# Altium PCB ReconProbe.PcbDoc (part 1 of 4) (continued)
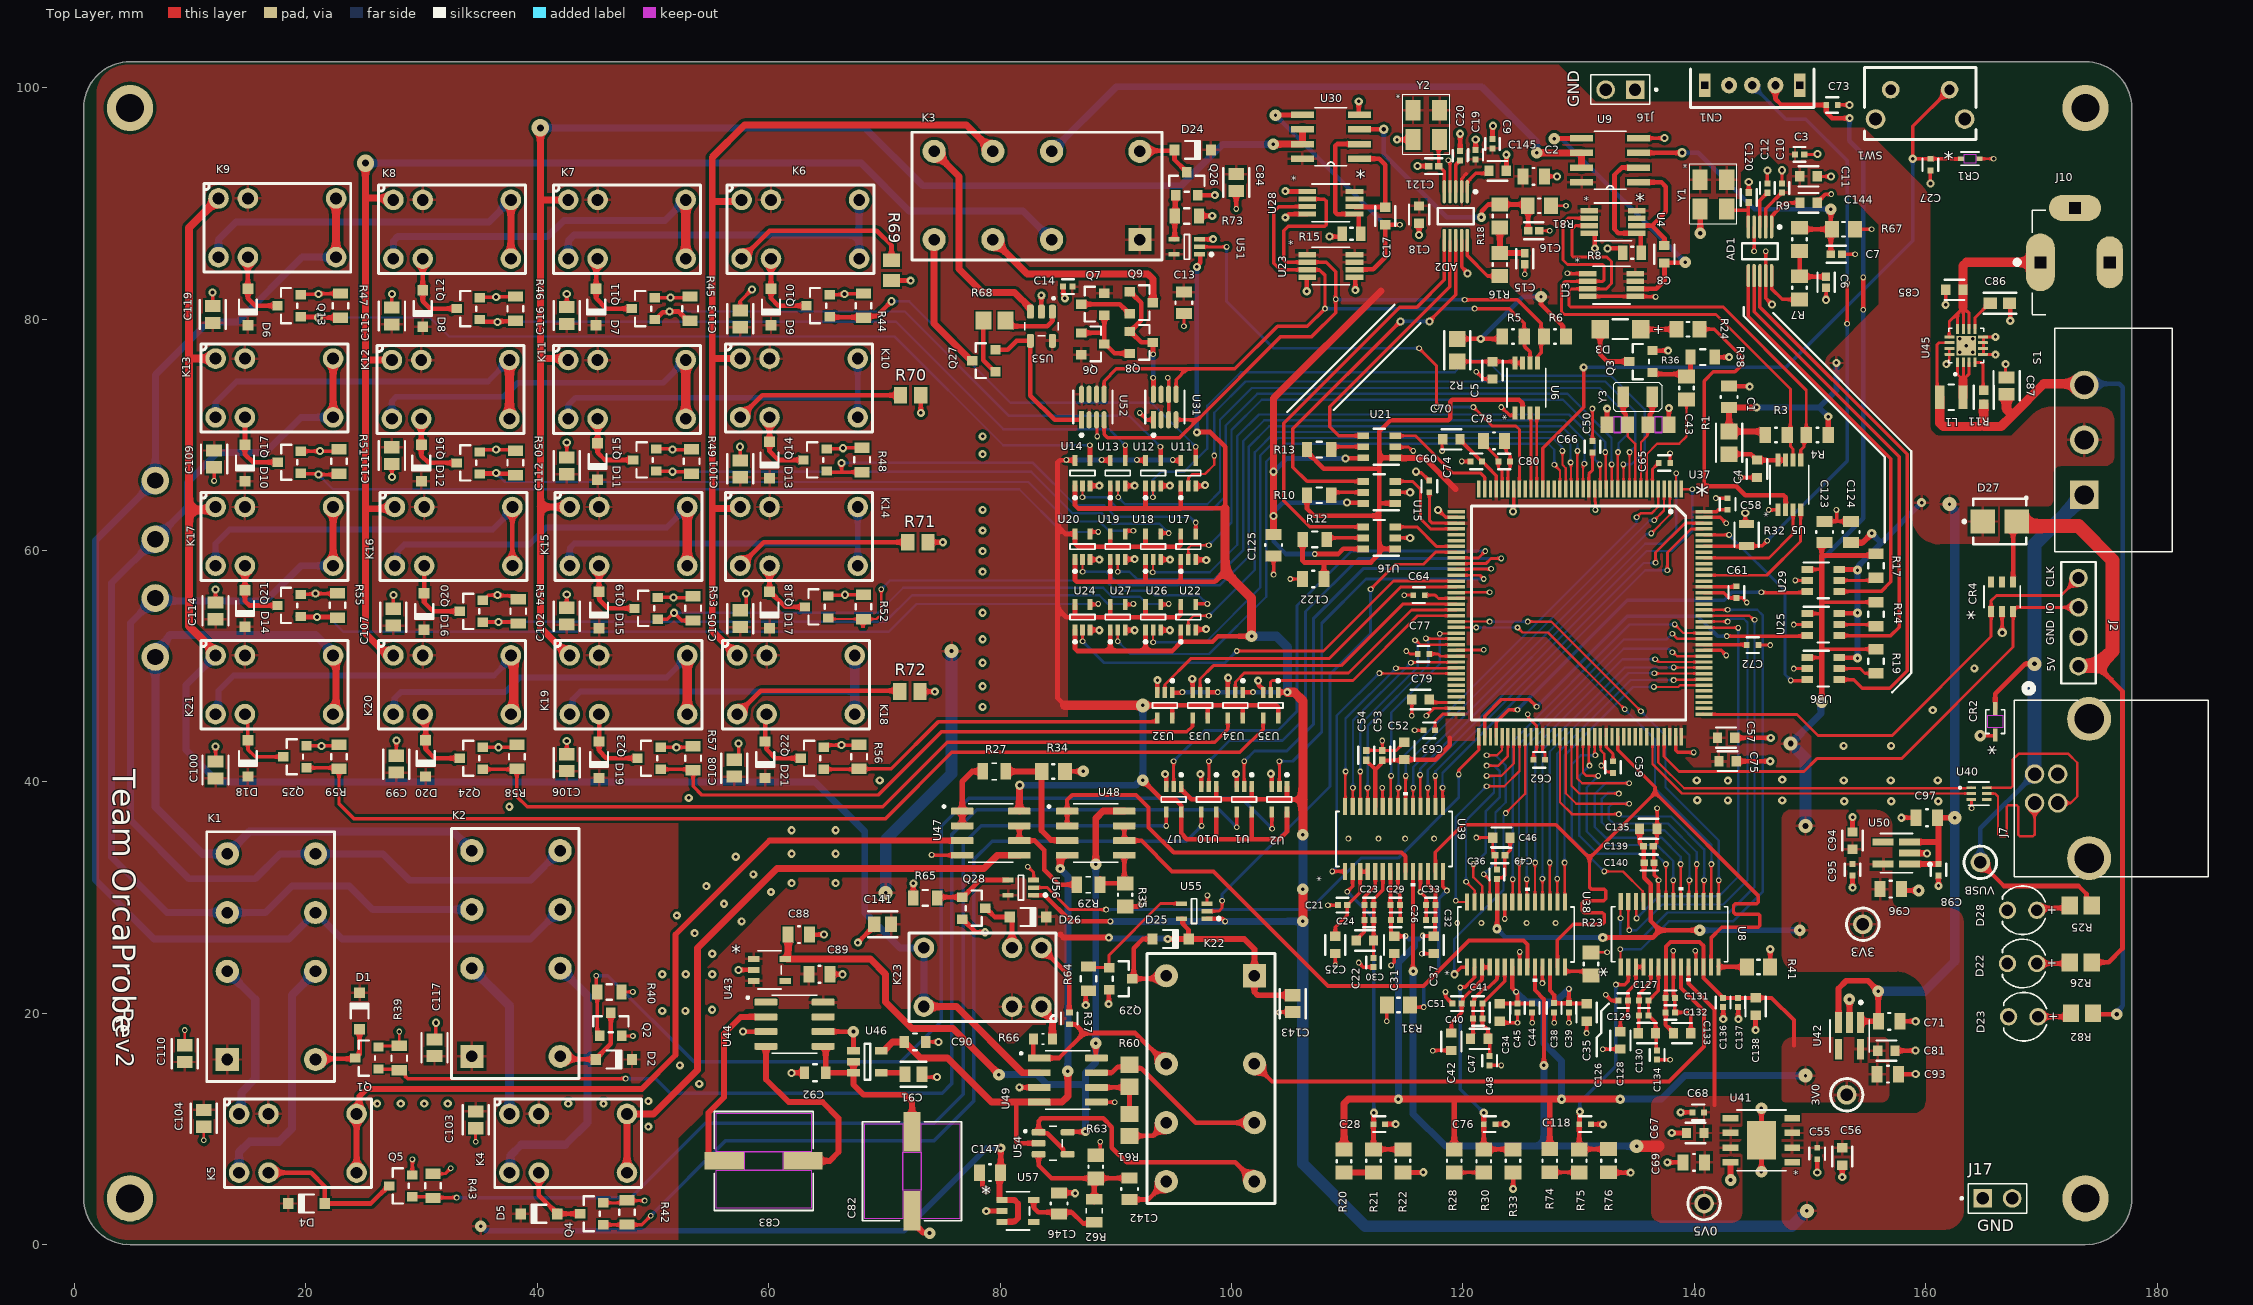
[diagram p0: Top Layer view]
## Components (designator, comment, footprint, x,y, rotation, side; value= is the part's Value field where it differs from the comment) (continued)
C83 "RHA1C151MCN1GS" CAP_RHAHS_8X6P7_NCH 59.563,7.239 r0 top
C84 "CL21B105KBFNNNG" FP-CL21-IPC_C 100.4,91.8 r90 top
C85 "CC0603KRX5R6BB106" FP-CC0603-DC-MFG 162.471,82.513 r0 top
C86 "GRM1885C1H332JA01D" FP-GRM188-0_1-e0_2_0_5-IPC_A 166.408,81.37 r0 top
C87 "CL21A226MAYNNNE" FP-CL21-IPC_C 166.984,74.23 r90 top
C88 "CC0805KKX7R7BB105" FP-CC0805-0_85-MFG 62.611,26.797 r180 top value="1 uF"
C89 "CC0805KKX7R7BB105" FP-CC0805-0_85-MFG 64.389,23.368 r180 top value="1 uF"
C90 "C2012X7R1C225K125AB" FP-C2012-125-0_2-MFG 72.644,17.526 r0 top
C91 "C0805C103K5RACTU" FP-C0805C-DN-MFG 72.517,14.732 r0 top value="10,000 pF"
C92 "C2012X7R1C225K125AB" FP-C2012-125-0_2-MFG 64.008,14.859 r180 top
C93 "CC0805KKX7R7BB105" FP-CC0805-0_85-MFG 156.718,14.732 r180 top value="1 uF"
C94 "CC0603KRX5R6BB106" FP-CC0603-DC-MFG 153.67,34.925 r270 top
C95 "CC0402KRX7R7BB104" FP-CC0402-MFG 153.67,32.393 r270 top value="100 nF"
C96 "CC0805KKX7R7BB105" FP-CC0805-0_85-MFG 156.972,30.734 r180 top value="1 uF"
C97 "CC0805KKX7R7BB105" FP-CC0805-0_85-MFG 160.1,36.9 r0 top value="1 uF"
C98 "CC0402KRX7R7BB104" FP-CC0402-MFG 161.1,32.4 r270 top value="100 nF"
C99 "CL21B105KBFNNNG" FP-CL21-IPC_C 27.813,41.529 r270 top
C100 "CL21B105KBFNNNG" FP-CL21-IPC_C 12.192,41.021 r270 top
C101 "CL21B105KBFNNNG" FP-CL21-IPC_C 57.531,67.056 r270 top
C102 "CL21B105KBFNNNG" FP-CL21-IPC_C 42.545,54.32 r270 top
C103 "CL21B105KBFNNNG" FP-CL21-IPC_C 34.671,10.795 r90 top
C104 "CL21B105KBFNNNG" FP-CL21-IPC_C 11.176,10.922 r90 top
C105 "CL21B105KBFNNNG" FP-CL21-IPC_C 57.531,54.102 r270 top
C106 "CL21B105KBFNNNG" FP-CL21-IPC_C 42.545,41.656 r270 top
C107 "CL21B105KBFNNNG" FP-CL21-IPC_C 27.559,54.229 r270 top
C108 "CL21B105KBFNNNG" FP-CL21-IPC_C 57.023,41.184 r270 top
C109 "CL21B105KBFNNNG" FP-CL21-IPC_C 12.065,67.909 r90 top
C110 "CL21B105KBFNNNG" FP-CL21-IPC_C 9.525,16.51 r270 top
C111 "CL21B105KBFNNNG" FP-CL21-IPC_C 27.432,68.199 r90 top
C112 "CL21B105KBFNNNG" FP-CL21-IPC_C 42.545,67.31 r270 top
C113 "CL21B105KBFNNNG" FP-CL21-IPC_C 57.531,80.01 r270 top
C114 "CL21B105KBFNNNG" FP-CL21-IPC_C 12.192,54.773 r270 top
C115 "CL21B105KBFNNNG" FP-CL21-IPC_C 27.432,80.264 r270 top
C116 "CL21B105KBFNNNG" FP-CL21-IPC_C 42.545,80.3 r270 top
C117 "CL21B105KBFNNNG" FP-CL21-IPC_C 31.115,17.018 r270 top
C118 "CC0402KRX7R7BB104" FP-CC0402-MFG 130.556,10.414 r0 top value="100 nF"
C119 "CL21B105KBFNNNG" FP-CL21-IPC_C 11.938,80.391 r270 top
C120 "GJM1555C1H100GB01D" FP-GJM155-0_05-IPC_B 144.7,90.5 r90 top
C121 "GJM1555C1H100GB01D" FP-GJM155-0_05-IPC_B 117.475,93.218 r180 top
C122 "CC0805KKX7R7BB105" FP-CC0805-0_85-MFG 107.061,57.531 r0 top value="1 uF"
C123 "CC0805KKX7R7BB105" FP-CC0805-0_85-MFG 151.257,61.595 r270 top value="1 uF"
C124 "CC0805KKX7R7BB105" FP-CC0805-0_85-MFG 153.543,61.595 r270 top value="1 uF"
C125 "CC0805KKX7R7BB105" FP-CC0805-0_85-MFG 103.632,60.452 r90 top value="1 uF"
C126 "C0402C104K4RACTU" FP-C0402-BB-MFG 133.858,21.082 r180 top value="0.10 μF"
C127 "C0402C104K4RACTU" FP-C0402-BB-MFG 135.636,21.082 r0 top value="0.10 μF"
C128 "CC0603KRX5R6BB106" FP-CC0603-DC-MFG 133.604,17.653 r270 top
C129 "C0402C104K4RACTU" FP-C0402-BB-MFG 135.636,19.812 r0 top value="0.10 μF"
C130 "CC0603KRX5R6BB106" FP-CC0603-DC-MFG 135.89,18.288 r0 top
C131 "C0402C104K4RACTU" FP-C0402-BB-MFG 137.922,21.336 r0 top value="0.10 μF"
C132 "C0402C104K4RACTU" FP-C0402-BB-MFG 137.922,20.066 r0 top value="0.10 μF"
C133 "CC0603KRX5R6BB106" FP-CC0603-DC-MFG 138.938,18.288 r0 top
C134 "C0402C104K4RACTU" FP-C0402-BB-MFG 136.779,16.383 r270 top value="0.10 μF"
C135 "CC0603KRX5R6BB106" FP-CC0603-DC-MFG 136.017,35.941 r0 top
C136 "C0402C104K4RACTU" FP-C0402-BB-MFG 142.494,20.936 r270 top value="0.10 μF"
C137 "C0402C104K4RACTU" FP-C0402-BB-MFG 143.764,20.936 r270 top value="0.10 μF"
C138 "CC0603KRX5R6BB106" FP-CC0603-DC-MFG 145.288,20.586 r270 top
C139 "GRM1555C1H102JA01D" FP-GRM155-0_05-IPC_B 136.017,34.417 r0 top
C140 "GRM1555C1H102JA01D" FP-GRM155-0_05-IPC_B 136.096,33.02 r0 top
C141 "CL21B105KBFNNNG" FP-CL21-IPC_C 69.85,27.686 r0 top
C142 "CC0805KKX7R7BB105" FP-CC0805-0_85-MFG 91.186,4.826 r270 top value="1 uF"
C143 "CL21B105KBFNNNG" FP-CL21-IPC_C 105.283,20.828 r90 top
C144 "CC0603KRX7R9BB103" FP-CC0603-DA-MFG 149.872,90.043 r0 top value="10 nF"
C145 "CC0603KRX7R9BB103" FP-CC0603-DA-MFG 123,92.8 r0 top value="10 nF"
C146 "CC0805KKX7R7BB105" FP-CC0805-0_85-MFG 85.09,3.556 r270 top value="1 uF"
C147 "CC0805KKX7R7BB105" FP-CC0805-0_85-MFG 79.121,6.223 r0 top value="1 uF"
CN1 "SPDT_SLIDESW" SPDT_SLIDESW 145.002,100.203 r180 top
CR1 "ESD5Z3.3T1G" SOD-523_0P9X1P3_ONS 163.83,93.853 r0 top
CR2 "DESD5V0U1BA-7" SOD323-L_DIO 166,45.2 r90 top
CR4 "DT2042-04TS-7" SOIC6_TSOT26-DT2042-04TS_DIO 166.6,56 r90 top
D1 "1N4148W-7-F" DIOD-SOD123-2_V 24.638,20.193 r90 top
D2 "1N4148W-7-F" DIOD-SOD123-2_V 46.609,16.002 r0 top
D3 "Bright Green, 2V, 20°" "WL-SMRW_1206 dome_normal use" 133.604,79.121 r0 top
D4 "1N4148W-7-F" DIOD-SOD123-2_V 20.066,3.556 r180 top
D5 "1N4148W-7-F" DIOD-SOD123-2_V 40.132,2.667 r180 top
D6 "1N4148W-7-F" DIOD-SOD123-2_V 14.986,81.026 r270 top
D7 "1N4148W-7-F" DIOD-SOD123-2_V 45.085,81.026 r270 top
D8 "1N4148W-7-F" DIOD-SOD123-2_V 30.099,80.899 r270 top
D9 "1N4148W-7-F" DIOD-SOD123-2_V 60.198,81.026 r270 top
D10 "1N4148W-7-F" DIOD-SOD123-2_V 14.732,67.564 r270 top
D11 "1N4148W-7-F" DIOD-SOD123-2_V 45.212,67.691 r270 top
D12 "1N4148W-7-F" DIOD-SOD123-2_V 29.972,67.564 r270 top
D13 "1N4148W-7-F" DIOD-SOD123-2_V 60.071,67.818 r270 top
D14 "1N4148W-7-F" DIOD-SOD123-2_V 14.732,54.991 r270 top
D15 "1N4148W-7-F" DIOD-SOD123-2_V 45.339,54.864 r270 top
D16 "1N4148W-7-F" DIOD-SOD123-2_V 30.226,54.737 r270 top
D17 "1N4148W-7-F" DIOD-SOD123-2_V 60.071,54.864 r270 top
D18 "1N4148W-7-F" DIOD-SOD123-2_V 14.986,42.037 r270 top
D19 "1N4148W-7-F" DIOD-SOD123-2_V 45.339,41.91 r270 top
D20 "1N4148W-7-F" DIOD-SOD123-2_V 30.353,42.037 r270 top
D21 "1N4148W-7-F" DIOD-SOD123-2_V 59.69,41.91 r270 top
D22 "151031VS06000" WL-TMRC_D3.95H5.3 -1101.67,-1245.7 r180 top
D23 "151031VS06000" WL-TMRC_D3.95H5.3 -1101.57,-1250.3 r180 top
D24 "1N4148W-7-F" DIOD-SOD123-2_V 96.647,94.615 r0 top
D25 "1N4148W-7-F" DIOD-SOD123-2_V 94.742,26.416 r0 top
D26 "1N4148W-7-F" DIOD-SOD123-2_V 82.423,28.321 r0 top
D27 "LSM115JE3/TR13" FP-DO-214BA-IPC_C 166.4,62.5 r0 top value=150pF
D28 "151031VS06000" WL-TMRC_D3.95H5.3 -1101.67,-1241.1 r180 top
J2 "4POS_Header" 4POS_Header 173.2,50 r90 top
J7 "UJ2-BH-1-TH" UJ2-BH-1-TH_CUD 169.407,38.171 r90 top
J10 "PJ-002B" CUI_PJ-002B 169.9,84.9 r0 top
J16 "M20-9990245" HARWIN_M20-9990245 133.604,99.822 r180 top
J17 "M20-9990245" HARWIN_M20-9990245 166.2,4 r0 top
K1 "DPDT_RELAY" DPDT_RELAY 13.208,16.002 r90 top
K2 "DPDT_RELAY" DPDT_RELAY 34.347,16.267 r90 top
K3 "DPDT_RELAY" DPDT_RELAY 92.075,86.868 r180 top
K4 "SPDT" J1031C5VDC.15S 37.592,6.223 r0 top
K5 "SPDT" J1031C5VDC.15S 14.224,6.223 r0 top
K6 "SPDT" J1031C5VDC.15S 57.658,85.217 r0 top
K7 "SPDT" J1031C5VDC.15S 42.672,85.217 r0 top
K8 "SPDT" J1031C5VDC.15S 27.559,85.217 r0 top
K9 "SPDT" J1031C5VDC.15S 12.446,85.344 r0 top
K10 "SPDT" J1031C5VDC.15S 57.531,71.501 r0 top
K11 "SPDT" J1031C5VDC.15S 42.672,71.374 r0 top
K12 "SPDT" J1031C5VDC.15S 27.432,71.374 r0 top
K13 "SPDT" J1031C5VDC.15S 12.192,71.501 r0 top
K14 "SPDT" J1031C5VDC.15S 57.531,58.674 r0 top
K15 "SPDT" J1031C5VDC.15S 42.799,58.674 r0 top
K16 "SPDT" J1031C5VDC.15S 27.686,58.674 r0 top
K17 "SPDT" J1031C5VDC.15S 12.192,58.674 r0 top
K18 "SPDT" J1031C5VDC.15S 57.277,45.847 r0 top
K19 "SPDT" J1031C5VDC.15S 42.799,45.847 r0 top
K20 "SPDT" J1031C5VDC.15S 27.559,45.847 r0 top
K21 "SPDT" J1031C5VDC.15S 12.192,45.847 r0 top
K22 "DPDT_RELAY" DPDT_RELAY 101.981,23.241 r270 top
K23 "SPDT" J1031C5VDC.15S 83.566,25.654 r180 top
L1 "DFE252012P-2R2M=P2" FP-DFE252012C-MFG 162.217,73.242 r0 top
Q1 "2N7002KT1G" FP-318-08-MFG 25.273,16.129 r180 top
Q2 "2N7002KT1G" FP-318-08-MFG 46.355,19.05 r90 top
Q3 "2N7002KT1G" FP-318-08-MFG 135.382,76.327 r180 top
Q4 "2N7002KT1G" FP-318-08-MFG 44.704,2.667 r180 top
Q5 "2N7002KT1G" FP-318-08-MFG 28.194,5.08 r180 top
Q6 "DMG2305UX-7" FP-SOT23-MFG 88.011,77.851 r0 top
Q7 "DMG2305UX-7" FP-SOT23-MFG 88.011,81.28 r180 top
Q8 "DMG2305UX-7" FP-SOT23-MFG 92.202,77.978 r0 top
Q9 "DMG2305UX-7" FP-SOT23-MFG 92.202,81.407 r0 top
Q10 "2N7002KT1G" FP-318-08-MFG 64.262,81.153 r180 top
Q11 "2N7002KT1G" FP-318-08-MFG 49.149,80.899 r180 top
Q12 "2N7002KT1G" FP-318-08-MFG 34.036,80.899 r180 top
Q13 "2N7002KT1G" FP-318-08-MFG 18.542,81.153 r180 top
Q14 "2N7002KT1G" FP-318-08-MFG 64.008,67.818 r180 top
Q15 "2N7002KT1G" FP-318-08-MFG 49.276,67.818 r180 top
Q16 "2N7002KT1G" FP-318-08-MFG 34.036,67.564 r180 top
Q17 "2N7002KT1G" FP-318-08-MFG 18.558,67.625 r180 top
Q18 "2N7002KT1G" FP-318-08-MFG 64.135,55.118 r180 top
Q19 "2N7002KT1G" FP-318-08-MFG 49.403,54.991 r180 top
Q20 "2N7002KT1G" FP-318-08-MFG 34.29,54.737 r180 top
Q21 "2N7002KT1G" FP-318-08-MFG 18.542,55.245 r180 top
Q22 "2N7002KT1G" FP-318-08-MFG 63.754,42.037 r180 top
Q23 "2N7002KT1G" FP-318-08-MFG 49.657,42.037 r180 top
Q24 "2N7002KT1G" FP-318-08-MFG 34.29,42.037 r180 top
Q25 "2N7002KT1G" FP-318-08-MFG 19.05,42.164 r180 top
Q26 "2N7002KT1G" FP-318-08-MFG 96.139,91.694 r90 top
Q27 "DMG2305UX-7" FP-SOT23-MFG 78.6,76.4 r180 top
Q28 "2N7002KT1G" FP-318-08-MFG 77.724,29.083 r0 top
Q29 "2N7002KT1G" FP-318-08-MFG 90.424,22.987 r0 top
R1 "RMCF0805FT200K" FP-RMCF0805-IPC_A 143.002,69.302 r270 top
R2 "RMCF0805FT200K" FP-RMCF0805-IPC_A 119.507,77.303 r270 top
R3 "CRCW08054K70FKEA" FP-CRCW0805-e3-IPC_B 147.066,69.977 r0 top
R4 "CRCW08054K70FKEA" FP-CRCW0805-e3-IPC_B 150.622,69.977 r180 top
R5 "CRCW08054K70FKEA" FP-CRCW0805-e3-IPC_B 124.333,78.486 r0 top
R6 "CRCW08054K70FKEA" FP-CRCW0805-e3-IPC_B 127.951,78.486 r180 top
R7 "RC0805FR-071KL" RESC2013X60X35ML10T20 149.098,82.693 r270 top
R8 "RC0805FR-07604RL" RESC2013X60X35LL10T20 134.62,85.725 r0 top
R9 "RC0805FR-071KL" RESC2013X60X35ML10T20 149.098,86.884 r270 top
R10 "RMCF0805FT10K0" FP-RMCF0805-MFG 107.569,64.77 r0 top
R11 "RMCF0603FT100K" FP-RMCF0603-IPC_C 165.011,73.242 r270 top
R12 "RMCF0805FT10K0" FP-RMCF0805-MFG 107.188,60.96 r0 top
R13 "RMCF0805FT10K0" FP-RMCF0805-MFG 107.569,68.707 r0 top
R14 "RMCF0805FT10K0" FP-RMCF0805-MFG 155.702,54.483 r270 top
R15 "RC0805FR-07604RL" RESC2013X60X35LL10T20 110.363,87.376 r180 top
R16 "RC0805FR-071KL" RESC2013X60X35ML10T20 123.19,84.709 r270 top
R17 "RMCF0805FT10K0" FP-RMCF0805-MFG 155.702,58.674 r270 top
R18 "RC0805FR-071KL" RESC2013X60X35ML10T20 123.19,88.9 r270 top
R19 "RMCF0805FT10K0" FP-RMCF0805-MFG 155.702,50.419 r270 top
R20 "RC0805FR-071KL" RESC2013X60X35ML10T20 109.728,7.223 r90 top
R21 "RC0805FR-071KL" RESC2013X60X35ML10T20 112.268,7.239 r270 top
R22 "RC0805FR-071KL" RESC2013X60X35ML10T20 114.808,7.239 r90 top
R23 "RC0805JR-075K1L" RESC2013X60X35ML10T20 131.064,24.257 r270 top
R24 "RC0805FR-071KL" RESC2013X60X35ML10T20 139.446,79.121 r0 top
R25 "ERA6AEB202V" RESC2013X60X40ML20T25 173.4,29.3 r0 top
R26 "ERA6AEB202V" RESC2013X60X40ML20T25 173.4,24.4 r0 top
R27 "CRCW08054K00FKTA" RESC2012X50N 79.5,40.9 r180 top
R28 "RC0805FR-071KL" RESC2013X60X35ML10T20 119.253,7.239 r90 top
R29 "CRCW08054K00FKTA" RESC2012X50N 87.63,31.115 r180 top
R30 "RC0805FR-071KL" RESC2013X60X35ML10T20 121.793,7.223 r270 top
R31 "RC0805JR-075K1L" RESC2013X60X35ML10T20 114.427,20.701 r0 top
R32 "CRCW080510K0FKEAC" FP-CRCW0805-Ce3-MFG 144.526,61.341 r90 top
R33 "RC0805FR-071KL" RESC2013X60X35ML10T20 124.333,7.239 r90 top
R34 "RC0805FR-071KL" RESC2013X60X35ML10T20 84.6,40.9 r180 top
R35 "RC0805FR-071KL" RESC2013X60X35ML10T20 90.805,30.226 r90 top
R36 "RC0805FR-071KL" RESC2013X60X35ML10T20 139.319,74.041 r270 top
R37 "RT0402FRE07500RL" FP-RT0402-0_35-MFG 85.979,19.558 r270 top
R38 "RMCF0805FT10K0" FP-RMCF0805-MFG 140.716,76.708 r180 top
R39 "RMCF0805FT10K0" FP-RMCF0805-MFG 28.067,16.129 r90 top
R40 "RMCF0805FT10K0" FP-RMCF0805-MFG 46.228,21.844 r0 top
R41 "RC0805JR-075K1L" RESC2013X60X35ML10T20 145.542,24.003 r180 top
R42 "RMCF0805FT10K0" FP-RMCF0805-MFG 47.752,2.794 r90 top
R43 "RMCF0805FT10K0" FP-RMCF0805-MFG 30.988,5.08 r90 top
R44 "RMCF0805FT10K0" FP-RMCF0805-MFG 68.199,81.153 r90 top
R45 "RMCF0805FT10K0" FP-RMCF0805-MFG 53.213,80.899 r90 top
R46 "RMCF0805FT10K0" FP-RMCF0805-MFG 38.1,80.899 r270 top
R47 "RMCF0805FT10K0" FP-RMCF0805-MFG 22.987,81.153 r270 top
R48 "RMCF0805FT10K0" FP-RMCF0805-MFG 68.072,67.818 r270 top
R49 "RMCF0805FT10K0" FP-RMCF0805-MFG 53.34,67.691 r270 top
R50 "RMCF0805FT10K0" FP-RMCF0805-MFG 38.1,67.564 r270 top
R51 "RMCF0805FT10K0" FP-RMCF0805-MFG 22.86,67.691 r270 top
R52 "RMCF0805FT10K0" FP-RMCF0805-MFG 68.199,55.118 r270 top
R53 "RMCF0805FT10K0" FP-RMCF0805-MFG 53.467,54.991 r270 top
R54 "RMCF0805FT10K0" FP-RMCF0805-MFG 38.354,54.737 r270 top
R55 "RMCF0805FT10K0" FP-RMCF0805-MFG 22.733,55.245 r270 top
R56 "RMCF0805FT10K0" FP-RMCF0805-MFG 67.818,42.164 r270 top
R57 "RMCF0805FT10K0" FP-RMCF0805-MFG 53.467,42.037 r270 top
R58 "RMCF0805FT10K0" FP-RMCF0805-MFG 38.227,42.164 r270 top
R59 "RMCF0805FT10K0" FP-RMCF0805-MFG 22.86,42.164 r270 top
R60 "ERA6AEB101V" RESC2013X60X40ML20T25 91.186,14.605 r270 top
R61 "ERA6AEB101V" RESC2013X60X40ML20T25 91.186,10.353 r90 top
R62 "CRCW08054K00FKTA" RESC2012X50N 88.138,2.937 r270 top
R63 "RC0805FR-071KL" RESC2013X60X35ML10T20 88.265,6.731 r270 top
R64 "RMCF0805FT10K0" FP-RMCF0805-MFG 87.63,22.987 r270 top
R65 "RMCF0805FT10K0" FP-RMCF0805-MFG 73.533,29.972 r180 top
R66 "RT0603BRE0750RL" RESC1608X55N 83.693,17.78 r180 top
R67 "RC0805FR-071KL" RESC2013X60X35ML10T20 152.892,87.757 r0 top
R68 "ERA6AEB101V" RESC2013X60X40ML20T25 79.502,79.883 r180 top
R69 "ERJ-6GEY0R00V" RESC2013X70X40NL20T20 70.612,84.201 r90 top
R70 "ERJ-6GEY0R00V" RESC2013X70X40NL20T20 72.263,73.406 r180 top
R71 "ERJ-6GEY0R00V" RESC2013X70X40NL20T20 72.884,60.706 r180 top
R72 "ERJ-6GEY0R00V" RESC2013X70X40NL20T20 72.2,47.8 r180 top
R73 "RMCF0805FT10K0" FP-RMCF0805-MFG 96.139,88.9 r0 top
R74 "RC0805FR-071KL" RESC2013X60X35ML10T20 127.508,7.255 r90 top
R75 "RC0805FR-071KL" RESC2013X60X35ML10T20 130.048,7.239 r270 top
R76 "RC0805FR-071KL" RESC2013X60X35ML10T20 132.588,7.255 r90 top
R81 "RC0805FR-071KL" RESC2013X60X35ML10T20 126.603,89.789 r180 top
R82 "ERA6AEB202V" RESC2013X60X40ML20T25 173.5,20 r0 top
S1 "L102021ML04Q" SW_L102021ML04Q 173.7,69.55 r90 top
SW1 "SPST Tactile" TAC_SW_TL6110DF160QP 162.052,99.822 r180 top
U1 "AXP1T34GWH" AXP1T34GWH 101.092,38.481 r270 top
U2 "AXP1T34GWH" AXP1T34GWH 104.14,38.481 r270 top
U3 "MCP4531-104EMS" MSOP8_MC_MCH 132.842,82.931 r0 top
U4 "MCP4531T-103EMS" MSOP8_MC_MCH 132.969,88.392 r0 top
U5 "NVT2002DP,118" TSSOP8_SOT505-1_NXP-L 148.209,65.659 r90 top
U6 "NVT2002DP,118" TSSOP8_SOT505-1_NXP-L 125.476,74.041 r90 top
U7 "AXP1T34GWH" AXP1T34GWH 94.996,38.481 r270 top
U8 "AD9235BRUZ-40" RU_28_ADI 137.866,26.822 r90 top
U9 "OPA2356AIDR" D8 132.715,93.726 r180 top
U10 "AXP1T34GWH" AXP1T34GWH 98.044,38.481 r270 top
U11 "AXP1T34GWH" AXP1T34GWH 96.266,66.675 r90 top
U12 "AXP1T34GWH" AXP1T34GWH 93.218,66.675 r90 top
U13 "AXP1T34GWH" AXP1T34GWH 90.17,66.675 r90 top
U14 "AXP1T34GWH" AXP1T34GWH 87.122,66.675 r90 top
U15 "SN74LVC1T45DBVR" DBV0006A_N 112.776,65.024 r180 top
U16 "SN74LVC1T45DBVR" DBV0006A_N 112.776,61.087 r180 top
U17 "AXP1T34GWH" AXP1T34GWH 96.266,60.325 r90 top
U18 "AXP1T34GWH" AXP1T34GWH 93.218,60.325 r90 top
U19 "AXP1T34GWH" AXP1T34GWH 90.17,60.325 r90 top
U20 "AXP1T34GWH" AXP1T34GWH 87.122,60.325 r90 top
U21 "SN74LVC1T45DBVR" DBV0006A_N 112.776,68.961 r180 top
U22 "AXP1T34GWH" AXP1T34GWH 96.266,54.229 r90 top
U23 "MCP4531-104EMS" MSOP8_MC_MCH 108.585,84.582 r0 top
U24 "AXP1T34GWH" AXP1T34GWH 87.122,54.229 r90 top
U25 "SN74LVC1T45DBVR" DBV0006A_N 151.13,53.594 r0 top
U26 "AXP1T34GWH" AXP1T34GWH 93.218,54.229 r90 top
U27 "AXP1T34GWH" AXP1T34GWH 90.17,54.229 r90 top
U28 "MCP4531T-103EMS" MSOP8_MC_MCH 108.585,90.043 r0 top
U29 "SN74LVC1T45DBVR" DBV0006A_N 151.13,57.404 r0 top
U30 "OPA2356AIDR" D8 108.585,95.758 r180 top
U31 "AD5245BRJZ100-RL7" FP-RJ-8-IPC_B 94.234,72.39 r90 top
U32 "AXP1T34GWH" AXP1T34GWH 94.234,46.609 r270 top
U33 "AXP1T34GWH" AXP1T34GWH 97.282,46.609 r270 top
U34 "AXP1T34GWH" AXP1T34GWH 100.33,46.609 r270 top
U35 "AXP1T34GWH" AXP1T34GWH 103.378,46.609 r270 top
U36 "SN74LVC1T45DBVR" DBV0006A_N 151.13,49.784 r0 top
U37 "STM32U575ZIT6" STM32U575ZIT6 140.757,63.356 r270 top
U38 "AD9235BRUZ-40" RU_28_ADI 124.587,26.797 r90 top
U39 "AD9235BRUZ-40" RU_28_ADI 114.046,35.052 r90 top
U40 "ECMF02-2AMX6" QFN-6L_STM 164.592,38.989 r0 top
U41 "SC4216HSETRT" SC4216H_SEM 145.796,9.017 r180 top
U42 "TPS7A2030PDBVR" DBV0005A-IPC_A 153.416,18.034 r270 top
U43 "TPS7A0225PDBVR" SOT23_DBV_TEX 60.071,23.749 r0 top
U44 "LM2660M" SOIC127P599X175-8N 62.23,19.05 r0 top
U45 "TPS62143RGTR" QFN50P300X300X100-17N 163.5,77.7 r90 top
U46 "TPS72325DBVR" DBV0005A 68.523,15.809 r0 top
U47 "OPA2320AIDR" SOIC127P599X175-8N 79.191,35.56 r0 top
U48 "OPA2320AIDR" SOIC127P599X175-8N 88.265,35.56 r0 top
U49 "OPA2320AIDR" SOIC127P599X175-8N 85.852,14.224 r0 top
U50 "TLV75533PDBVR" DBV0005A-IPC_A 157.458,33.843 r180 top
U51 "AXP1T34GWH" AXP1T34GWH 96.139,86.233 r180 top
U52 "AD5245BRJZ100-RL7" FP-RJ-8-IPC_B 88.011,72.39 r90 top
U53 "OPA320AIDBVR" SOT95P280X145-5N 83.566,79.375 r270 top
U54 "OPA320AIDBVR" SOT95P280X145-5N 84.582,8.763 r0 top
U55 "AXP1T34GWH" AXP1T34GWH 96.774,28.829 r180 top
U56 "AXP1T34GWH" AXP1T34GWH 81.788,30.861 r180 top
U57 "TPS7A0225PDBVR" SOT23_DBV_TEX 81.534,2.921 r0 top
VUSB "1.10mm hole" TESTPOINT_1.10MM 164.719,33.041 r0 top
Y1 "S5D25.000000A20F30T" S5D25.000000A20F30T 140.5,92.04 r270 top
Y2 "S5D25.000000A20F30T" S5D25.000000A20F30T 115.683,98.044 r270 top
Y3 "X321532768KID2SI" X321532768KID2SI 133.858,73.279 r0 top

## Footprints (in the part's own frame and the unit in brackets; to place one, negate y for a bottom-side part, rotate by r counter-clockwise, add the part's x,y. Pads: shape width x height; smd on the part's side, far side on the other; paste and mask are expansions set on the pad)
4POS_Header [mm]
  round 1.605 hole 1.07: 1(0,0) 2(2.54,0) 3(5.08,0) 4(7.62,0)
  silkscreen extent -1.5,-1.5 9,1.5, body extent -1.32,-9.89 8.84,0.33, height 2.42
ADI-RM-10_M [mm] "TSSOP, 10-Leads, Body 3x3mm, Pitch 0.5mm, IPC Low Density"
  oval 2x0.3 smd: 1(-2.1,1) 2(-2.1,0.5) 3(-2.1,0) 4(-2.1,-0.5) 5(-2.1,-1) 6(2.1,-1) 7(2.1,-0.5) 8(2.1,0) 9(2.1,0.5) 10(2.1,1)
  silkscreen extent -2.22,-1.55 0.7,1.83, body extent -1.55,-1.55 1.55,1.55, height 1.1
AXP1T34GWH [mm]
  rect 0.95x0.4 smd paste+0 mask+0: 1(-1.1,0.65) 2(-1.1,0) 3(-1.1,-0.65) 4(1.1,-0.65) 5(1.1,0.65)
  silkscreen extent -2.25,-1.07 0.23,1.07, body extent -1.05,-1 1.05,1, height 1
CAP_CC0805_YAG [mil]
  rect 44x57 smd paste+0 mask+0: 1(-35.31,0) 2(35.31,0)
  Top Layer keep-out region: -11.31,-26.5 -11.31,26.5 11.31,26.5 11.31,-26.5
  Keep-Out Layer region: -11.31,-28.5 -11.31,28.5 11.31,28.5 11.31,-28.5
  body extent -43,-29 43,29, height 57
CAP_RHAHS_8X6P7_NCH [mil]
  rect 134x59 smd paste+0 mask+0: 1(-134,0) 2(134,0)
  Top Layer keep-out region: -161.5,-161.5 -161.5,-31.5 161.5,-31.5 161.5,-161.5
  Top Layer keep-out region: -161.5,31.5 -161.5,161.5 161.5,161.5 161.5,31.5
  Top Layer keep-out region: -65,-31.5 -65,31.5 65,31.5 65,-31.5
  Keep-Out Layer region: -65,-31.5 -65,31.5 65,31.5 65,-31.5
  silkscreen extent -168,-168 168,168, body extent -181,-164 181,164, height 278
CUI_PJ-002B [mm]
  oval 2.5x5 hole 1 square: 1(0,0)
  oval 2.25x4.5 hole 1 square: 2(6,0)
  oval 4.5x2.25 hole 1 square: 3(3,4.7)
  silkscreen extent -2.2,-4.52 0.45,4.5, body extent -0.7,-4.5 13.7,4.9, height 11
D8 [mil]
  rect 78x22 smd paste-39 mask-39: 1(-97,75) 2(-97,25) 3(-97,-25) 4(-97,-75) 5(97,-75) 6(97,-25) 7(97,25) 8(97,75)
  silkscreen extent -54,-98 54,98, body extent -122,-99 122,99, height 69
DBV0005A [mm]
  rect 1.1x0.65 smd paste-0.102 mask+0.051: 1(-1.2,0.95) 2(-1.2,0) 3(-1.2,-0.95) 4(1.2,-0.95) 5(1.2,0.95)
  silkscreen extent -0.25,-1.55 0.25,1.55, body extent -1.4,-1.45 1.4,1.45, height 1.2
DBV0005A-IPC_A [mm] "this one"
  rect 1.805x0.612 smd paste+0 mask+0: 1(-1.15,0.95) 2(-1.15,0) 3(-1.15,-0.95) 4(1.15,-0.95) 5(1.15,0.95)
  silkscreen extent -3.03,-1.7 1.4,1.7, body extent -1.45,-1.45 1.35,1.45, height 1.2
DBV0006A_N [mm]
  rect 1x0.6 smd paste+0 mask+0.051: 1(-1.375,0.95) 2(-1.375,0) 3(-1.375,-0.95) 4(1.375,-0.95) 5(1.375,0) 6(1.375,0.95)
  silkscreen extent -1.68,-1.55 0.5,1.55, body extent -1.4,-1.45 1.4,1.45, height 1.2
DIOD-SOD123-2_V [mm] "SOD123, 2-Leads, Body 2.7x1.55mm, Height 1.45mm"
  rect 0.9x0.95 smd: 1(-1.575,0) 2(1.575,0)
  silkscreen extent -0.64,-0.83 0.64,0.77, body extent -1.35,-0.77 1.35,0.77, height 1.45
DPDT_RELAY [mm]
  round 2 hole 1: 1(0,-7.62) 2(7.62,-7.62) 3(12.7,-7.62) 4(17.78,-7.62) 5(17.78,0) 6(12.7,0) 7(7.62,0)
  rect 2x2 hole 1: 8(0,0)
  silkscreen extent -1.91,-9.27 19.68,1.78, body extent -1.17,-8.79 19.2,1.17, height 11.1
FP-318-08-MFG [mm]
  rect 0.9x0.8 smd paste+0 mask+0: 1(-1,0.95) 2(-1,-0.95) 3(1,0)
  silkscreen extent -0.7,-1.52 0.7,1.52, body extent -1.55,-1.62 1.55,1.62, height 0.25
FP-C0402-BB-MFG [mm]
  rect 0.52x0.52 smd paste+0 mask+0: 1(-0.4,0) 2(0.4,0)
  silkscreen extent -0.5,-0.64 0.5,0.64, body extent -0.8,-0.4 0.8,0.4, height 0.25
FP-C0805C-DN-MFG [mm]
  rect 0.95x1.35 smd paste+0 mask+0: 1(-0.75,0) 2(0.75,0)
  silkscreen extent -1.1,-1.07 1.1,1.07, body extent -1.4,-0.85 1.4,0.85, height 0.25
FP-C2012-125-0_2-MFG [mm]
  rect 0.8x1.05 smd paste+0 mask+0: 1(-0.925,0) 2(0.925,0)
  silkscreen extent -0.15,-0.72 0.15,0.72, body extent -1.43,-0.82 1.43,0.82, height 0.25
FP-CC0402-MFG [mm]
  rect 0.5x0.5 smd paste+0 mask+0: 1(-0.5,0) 2(0.5,0)
  silkscreen extent -0.53,-0.68 0.53,0.67, body extent -0.87,-0.48 0.87,0.48, height 0.25
FP-CC0603-DA-MFG [mm]
  rect 0.8x0.9 smd paste+0 mask+0: 1(-0.75,0) 2(0.75,0)
  silkscreen extent -0.85,-0.85 0.85,0.85, body extent -0.8,-0.4 0.8,0.4, height 0.9
FP-CC0603-DC-MFG [mm]
  rect 0.8x0.9 smd paste+0 mask+0: 1(-0.75,0) 2(0.75,0)
  silkscreen extent -0.85,-0.87 0.85,0.87, body extent -1.43,-0.82 1.43,0.82, height 0.25
FP-CC0805-0_85-MFG [mm]
  rect 0.95x1.4 smd paste+0 mask+0: 1(-0.925,0) 2(0.925,0)
  silkscreen extent -0.08,-0.72 0.08,0.72, body extent -1.6,-1.05 1.6,1.05, height 0.25
FP-CL21-IPC_C [mm]
  rect 1.055x1.356 smd paste+0 mask+0: 1(-0.726,0) 2(0.726,0)
  silkscreen extent -1.25,-1.12 1.25,1.12, body extent -1.35,-0.82 1.35,0.82, height 0.25
FP-CRCW0805-Ce3-MFG [mm]
  rect 0.7x1.3 smd paste+0 mask+0: 1(-0.95,0) 2(0.95,0)
  silkscreen extent -1.05,-1.05 1.05,1.05, body extent -1.4,-0.8 1.4,0.8, height 0.25
FP-CRCW0805-e3-IPC_B [mm]
  rect 1.007x1.408 smd paste+0 mask+0: 1(-0.951,0) 2(0.951,0)
  silkscreen extent -0.07,-0.63 0.07,0.63, body extent -1.7,-0.95 1.7,0.95, height 0.25
FP-DFE252012C-MFG [mm]
  rect 0.8x2 smd paste+0 mask+0: 1(-1,0) 2(1,0)
  silkscreen extent -0.23,-1.1 0.23,1.1, body extent -1.5,-1.2 1.5,1.2, height 0.25
FP-DO-214BA-IPC_C [mm]
  rect 2.1x2.05 smd paste+0 mask+0: 1(-1.475,0) 2(1.475,0)
  silkscreen extent -3.2,-1.97 2.28,1.97, body extent -2.63,-2.07 2.63,2.07, height 0.25
FP-GJM155-0_05-IPC_A [mm]
  rect 0.715x0.672 smd paste+0 mask+0: 1(-0.479,0) 2(0.479,0)
  silkscreen extent -0.84,-0.74 0.84,0.74, body extent -1.04,-0.54 1.04,0.54, height 0.25
FP-GJM155-0_05-IPC_B [mm]
  rect 0.615x0.572 smd paste+0 mask+0: 1(-0.429,0) 2(0.429,0)
  silkscreen extent -0.74,-0.69 0.74,0.69, body extent -0.89,-0.44 0.89,0.44, height 0.25
FP-GRM155-0_05-IPC_B [mm]
  rect 0.615x0.572 smd paste+0 mask+0: 1(-0.429,0) 2(0.429,0)
  silkscreen extent -0.74,-0.69 0.74,0.69, body extent -0.89,-0.44 0.89,0.44, height 0.25
FP-GRM188-0_1-e0_2_0_5-IPC_A [mm]
  rect 1.159x1.012 smd paste+0 mask+0: 1(-0.827,0) 2(0.827,0)
  silkscreen extent -1.41,-0.91 1.41,0.91, body extent -1.91,-1.01 1.91,1.01, height 0.25
FP-RJ-8-IPC_B [mm]
  rect 1.505x0.455 smd paste+0 mask+0: 1(-1.1,0.975)
  rrect100% 1.505x0.455 smd paste+0 mask+0: 2(-1.1,0.325) 3(-1.1,-0.325) 4(-1.1,-0.975) 5(1.1,-0.975) 6(1.1,-0.325) 7(1.1,0.325) 8(1.1,0.975)
  silkscreen extent -2.55,-1.7 1.4,1.7, body extent -2.1,-1.7 2.1,1.7, height 0.25
FP-RMCF0603-IPC_C [mm]
  rect 0.806x0.858 smd paste+0 mask+0: 1(-0.601,0) 2(0.601,0)
  silkscreen extent -1,-0.87 1,0.87, body extent -1.1,-0.58 1.1,0.58, height 0.25
FP-RMCF0805-IPC_A [mm]
  rect 1.355x1.462 smd paste+0 mask+0: 1(-0.976,0) 2(0.976,0)
  silkscreen extent -1.65,-1.13 1.65,1.13, body extent -2.15,-1.23 2.15,1.23, height 0.25
FP-RMCF0805-MFG [mm]
  rect 0.9x1.3 smd paste+0 mask+0: 1(-1.05,0) 2(1.05,0)
  silkscreen extent -0.23,-0.67 0.23,0.67, body extent -1.6,-0.77 1.6,0.77, height 0.25
FP-RT0402-0_35-MFG [mm]
  rect 0.5x0.6 smd paste+0 mask+0: 1(-0.5,0) 2(0.5,0)
  silkscreen extent -0.5,-0.71 0.5,0.7, body extent -0.85,-0.4 0.85,0.4, height 0.25
FP-SOT23-MFG [mm]
  rect 0.9x0.8 smd paste+0 mask+0: 1(-1,0.95) 2(-1,-0.95) 3(1,0)
  silkscreen extent -0.18,-1.5 0.7,1.5, body extent -1.55,-1.6 1.55,1.6, height 0.25
HARWIN_M20-9990245 [mm]
  rect 1.605x1.605 / inner round 1.605 / far side rect 1.605x1.605 hole 1.07: 1(-1.27,0)
  round 1.605 hole 1.07: 2(1.27,0)
  silkscreen extent -3.2,-1.27 2.54,1.27, body extent -2.54,-1.27 2.54,1.27, height 8.75
J1031C5VDC.15S [mil] "SPDT"
  round 70 hole 40: 1(0,0) 2(100,0) 3(400,0) 4(400,200) 5(100,200) 6(0,200)
  silkscreen extent -50,-50 450,250, body extent -46,-48 446,248, height 400
MSOP8_MC_MCH [mil]
  rect 60x18 smd paste+0 mask+0: 1(-80.5,38.39) 2(-80.5,12.8) 3(-80.5,-12.8) 4(-80.5,-38.39) 5(80.5,-38.39) 6(80.5,-12.8) 7(80.5,12.8) 8(80.5,38.39)
  silkscreen extent -64,-64 64,64, body extent -96,-59 96,59, height 43
QFN50P300X300X100-17N [mm]
  rrect25% 0.86x0.26 smd mask+0.05: 1(-1.435,0.75) 2(-1.435,0.25) 3(-1.435,-0.25) 4(-1.435,-0.75) 9(1.435,-0.75) 10(1.435,-0.25) 11(1.435,0.25) 12(1.435,0.75)
  rrect25% 0.26x0.86 smd mask+0.05: 5(-0.75,-1.435) 6(-0.25,-1.435) 7(0.25,-1.435) 8(0.75,-1.435) 13(0.75,1.435) 14(0.25,1.435) 15(-0.25,1.435) 16(-0.75,1.435)
  rect 1.68x1.68 smd paste-2 mask+0: 17(0,0)
  round 0.5 hole 0.3 mask+0: 18(0,0) 19(-0.58,0.58) 20(0.58,0.58) 21(-0.58,-0.58) 22(0.58,-0.58)
  silkscreen extent -2.57,-1.5 1.5,1.5, body extent -1.5,-1.5 1.5,1.5, height 1
QFN-6L_STM [mil]
  rect 32x10 smd paste+0 mask+0: 1(-26.5,19.68) 2(-26.5,0) 3(-26.5,-19.68) 4(26.5,-19.68) 5(26.5,0) 6(26.5,19.68)
  silkscreen extent -68,-40 36,40, body extent -31,-34 31,34, height 22
RESC1608X55N [mm]
  rect 0.79x0.93 smd: 1(-0.82,0) 2(0.82,0)
  silkscreen extent -0.11,-0.45 0.11,0.45
RESC2012X50N [mm]
  rect 0.92x1.42 smd: 1(-1,0) 2(1,0)
  silkscreen extent -0.22,-0.7 0.22,0.7, body extent -1,-0.63 1,0.63, height 0.5
RESC2013X60X35LL10T20 [mm] "Chip Resistor, 2-Leads, Body 2.00x1.25mm, IPC High Density"
  rect 0.8x1.25 smd: 1(-0.8,0) 2(0.8,0)
  silkscreen extent -0.1,-0.53 0.1,0.53, body extent -1.05,-0.67 1.05,0.67, height 0.6
RESC2013X60X35ML10T20 [mm] "Chip Resistor, 2-Leads, Body 2.1x1.35mm, IPC Low Density"
  rect 1.2x1.45 smd: 1(-1,0) 2(1,0)
  silkscreen extent -0.1,-0.63 0.1,0.63, body extent -1.05,-0.68 1.05,0.67, height 0.6
RESC2013X60X40ML20T25 [mm] "Chip Resistor, 2-Leads, Body 2.00x1.25mm, IPC Low Density"
  rect 1.4x1.55 smd: 1(-0.95,0) 2(0.95,0)
  body extent -1.1,-0.72 1.1,0.72, height 0.6
RESC2013X70X40NL20T20 [mm] "Chip Resistor, 2-Leads, Body 2.00x1.25mm, IPC Medium Density"
  rect 1.15x1.45 smd: 1(-0.875,0) 2(0.875,0)
  body extent -1.1,-0.72 1.1,0.72, height 0.7
RU_28_ADI [mil]
  rect 58x14 smd paste+0 mask+0: 1(-111,166.34) 2(-111,140.75) 3(-111,115.16) 4(-111,89.57) 5(-111,63.98) 6(-111,38.39) 7(-111,12.8) 8(-111,-12.8) 9(-111,-38.39) 10(-111,-63.98) 11(-111,-89.57) 12(-111,-115.16) 13(-111,-140.75) 14(-111,-166.34) 15(111,-166.34) 16(111,-140.75) 17(111,-115.16) 18(111,-89.57) 19(111,-63.98) 20(111,-38.39) 21(111,-12.8) 22(111,12.8) 23(111,38.39) 24(111,63.98) 25(111,89.57) 26(111,115.16) 27(111,140.75) 28(111,166.34)
  silkscreen extent -160,-198 160,198, body extent -126,-193 126,193, height 47
S5D25.000000A20F30T [mm]
  rect 1.8x1.3 smd: 1(0,0) 2(2.54,0) 3(2.54,2.3) 4(0,2.3)
  silkscreen extent -1.4,-0.89 3.81,3.18, body extent -1.26,-0.48 3.8,2.77, height 0.81
SC4216H_SEM [mil]
  rect 53.5x22 smd paste+0 mask+0: 1(-105.25,75) 2(-105.25,25) 3(-105.25,-25) 4(-105.25,-75) 5(105.25,-75) 6(105.25,-25) 7(105.25,25) 8(105.25,75)
  rect 99x130 smd paste-64.5 mask+0: EPAD(0,0)
  silkscreen extent -84,-104 84,104, body extent -118,-99 118,99, height 69
SOD323-L_DIO [mil]
  rect 44x16 smd paste+0 mask+0: 1(-45,0) 2(45,0)
  Keep-Out Layer region: -21,-25.5 -21,25.5 21,25.5 21,-25.5
  silkscreen extent -40,-32 40,32, body extent -53,-27 53,27, height 47
SOD-523_0P9X1P3_ONS [mil]
  rect 20x14 smd paste+0 mask+0: 1(-31.5,0) 2(31.5,0)
  Top Layer keep-out region: -19.5,-15.5 -19.5,15.5 19.5,15.5 19.5,-15.5
  Keep-Out Layer region: -19.5,-15.5 -19.5,15.5 19.5,15.5 19.5,-15.5
  silkscreen extent -30,-22 30,22, body extent -34,-17 34,17, height 18
SOIC6_TSOT26-DT2042-04TS_DIO [mil]
  rect 37.5x20 smd paste+0 mask+0: 1(-50.25,37.4) 2(-50.25,0) 3(-50.25,-37.4) 4(50.25,-37.4) 5(50.25,0) 6(50.25,37.4)
  silkscreen extent -37,-62 37,62, body extent -55,-57 55,57, height 39
SOIC127P599X175-8N [mm]
  rrect25% 1.97x0.6 smd: 1(-2.47,1.905) 2(-2.47,0.635) 3(-2.47,-0.635) 4(-2.47,-1.905) 5(2.47,-1.905) 6(2.47,-0.635) 7(2.47,0.635) 8(2.47,1.905)
  silkscreen extent -4.14,-2.52 1.95,2.52, body extent -3,-2.45 3,2.45, height 1.75
SOT23_DBV_TEX [mil]
  rect 38.5x20 smd paste+0 mask+0: 1(-53.75,37.4) 2(-53.75,0) 3(-53.75,-37.4) 4(53.75,-37.4) 5(53.75,37.4)
  silkscreen extent -40,-65 40,65, body extent -59,-60 59,60, height 57
SOT95P280X145-5N [mm]
  rrect50% 1.21x0.59 smd: 1(-1.255,0.95) 2(-1.255,0) 3(-1.255,-0.95) 4(1.255,-0.95) 5(1.255,0.95)
  silkscreen extent -2.51,-1.45 0.8,1.45, body extent -1.4,-1.45 1.4,1.45, height 1.39
SPDT_SLIDESW [mm]
  round 1.4 hole 0.7: 1(-2,0) 2(0,0) 3(2,0)
  rect 1x2 hole 0.6 square: 4(-4.1,0) 5(4.1,0)
  silkscreen extent -5.33,-1.4 5.33,1.91, body extent -4.41,-7.29 4.19,2.21, height 3.91
STM32U575ZIT6 [mm] "QFP_144 without SMPS"
  rect 1.5x0.3 smd mask+0.05: 1(-1.95,-1.875) 2(-1.95,-2.375) 3(-1.95,-2.875) 4(-1.95,-3.375) 5(-1.95,-3.875) 6(-1.95,-4.375) 7(-1.95,-4.875) 8(-1.95,-5.375) 9(-1.95,-5.875) 10(-1.95,-6.375) 11(-1.95,-6.875) 12(-1.95,-7.375) 13(-1.95,-7.875) 14(-1.95,-8.375) 15(-1.95,-8.875) 16(-1.95,-9.375) 17(-1.95,-9.875) 18(-1.95,-10.375) 19(-1.95,-10.875) 20(-1.95,-11.375) 21(-1.95,-11.875) 22(-1.95,-12.375) 23(-1.95,-12.875) 24(-1.95,-13.375) 25(-1.95,-13.875) 26(-1.95,-14.375) 27(-1.95,-14.875) 28(-1.95,-15.375) 29(-1.95,-15.875) 30(-1.95,-16.375) 31(-1.95,-16.875) 32(-1.95,-17.375) 33(-1.95,-17.875) 34(-1.95,-18.375) 35(-1.95,-18.875) 36(-1.95,-19.375) 73(19.45,-19.375) 74(19.45,-18.875) 75(19.45,-18.375) 76(19.45,-17.875) 77(19.45,-17.375) 78(19.45,-16.875) 79(19.45,-16.375) 80(19.45,-15.875) 81(19.45,-15.375) 82(19.45,-14.875) 83(19.45,-14.375) 84(19.45,-13.875) 85(19.45,-13.375) 86(19.45,-12.875) 87(19.45,-12.375) 88(19.45,-11.875) 89(19.45,-11.375) 90(19.45,-10.875) 91(19.45,-10.375) 92(19.45,-9.875) 93(19.45,-9.375) 94(19.45,-8.875) 95(19.45,-8.375) 96(19.45,-7.875) 97(19.45,-7.375) 98(19.45,-6.875) 99(19.45,-6.375) 100(19.45,-5.875) 101(19.45,-5.375) 102(19.45,-4.875) 103(19.45,-4.375) 104(19.45,-3.875) 105(19.45,-3.375) 106(19.45,-2.875) 107(19.45,-2.375) 108(19.45,-1.875)
  rect 0.3x1.5 smd mask+0.05: 37(0,-21.325) 38(0.5,-21.325) 39(1,-21.325) 40(1.5,-21.325) 41(2,-21.325) 42(2.5,-21.325) 43(3,-21.325) 44(3.5,-21.325) 45(4,-21.325) 46(4.5,-21.325) 47(5,-21.325) 48(5.5,-21.325) 49(6,-21.325) 50(6.5,-21.325) 51(7,-21.325) 52(7.5,-21.325) 53(8,-21.325) 54(8.5,-21.325) 55(9,-21.325) 56(9.5,-21.325) 57(10,-21.325) 58(10.5,-21.325) 59(11,-21.325) 60(11.5,-21.325) 61(12,-21.325) 62(12.5,-21.325) 63(13,-21.325) 64(13.5,-21.325) 65(14,-21.325) 66(14.5,-21.325) 67(15,-21.325) 68(15.5,-21.325) 69(16,-21.325) 70(16.5,-21.325) 71(17,-21.325) 72(17.5,-21.325) 109(17.5,0.075) 110(17,0.075) 111(16.5,0.075) 112(16,0.075) 113(15.5,0.075) 114(15,0.075) 115(14.5,0.075) 116(14,0.075) 117(13.5,0.075) 118(13,0.075) 119(12.5,0.075) 120(12,0.075) 121(11.5,0.075) 122(11,0.075) 123(10.5,0.075) 124(10,0.075) 125(9.5,0.075) 126(9,0.075) 127(8.5,0.075) 128(8,0.075) 129(7.5,0.075) 130(7,0.075) 131(6.5,0.075) 132(6,0.075) 133(5.5,0.075) 134(5,0.075) 135(4.5,0.075) 136(4,0.075) 137(3.5,0.075) 138(3,0.075) 139(2.5,0.075) 140(2,0.075) 141(1.5,0.075) 142(1,0.075) 143(0.5,0.075) 144(0,0.075)
  silkscreen extent -0.5,-20 18,-1.5, body extent -2.34,-21.72 19.86,0.48, height 1.46
SW_L102021ML04Q [mm]
  rect 2.475x2.475 / inner round 2.475 / far side rect 2.475x2.475 hole 1.65: 1(-4.75,0)
  round 2.475 hole 1.65: 2(0,0) 3(4.75,0)
  silkscreen extent -9.65,-7.62 9.65,5.1, body extent -9.65,-16.13 9.65,4.32, height 10.46
TAC_SW_TL6110DF160QP [mm] "https://configured-product-images.s3.amazonaws.com/Datasheets/TL6110.pdf"
  round 1.524 hole 0.9: 1(0,0) 2(5.08,0)
  round 1.7 hole 1.1: 3(-1.31,2.54) 4(6.39,2.54)
  silkscreen extent -2.29,-1.91 7.37,4.32, body extent -2.21,-8.78 7.29,4.22, height 8.01
TestPoint_1.10mm [mm]
  round 1.7 hole 1.1: 1(0,0)
  silkscreen extent -1.4,-1.4 1.4,1.4
TESTPOINT_1.10MM [mm]
  round 1.7 hole 1.1: 1(0,0)
  silkscreen extent -1.4,-1.4 1.4,1.4
TSSOP8_SOT505-1_NXP-L [mil]
  rect 44x18 smd paste+0 mask+0: 1(-84.5,38.39) 2(-84.5,12.8) 3(-84.5,-12.8) 4(-84.5,-38.39) 5(84.5,-38.39) 6(84.5,-12.8) 7(84.5,12.8) 8(84.5,38.39)
  silkscreen extent -66,-66 66,66, body extent -101,-61 101,61, height 43
UJ2-BH-1-TH_CUD [mil]
  round 66 / inner round 60 / far side round 66 hole 46 paste-99999 mask+0: 1(98.43,0) 2(0,0) 3(0,-78.74) 4(98.43,-78.74)
  round 150 hole 101 paste-99999 mask-60.5: 5(-187.8,-185.43) 6(286.22,-185.43)
  silkscreen extent -251,-591 405,69, body extent -246,-584 345,64, height 406
"WL-SMRW_1206 dome_normal use" [mm] "SMD Mono-color Reverse mount LED, body 3.2x1.2mm"
  rect 1.5x1.6 smd: 1(-1.75,0) 2(1.75,0)
  silkscreen extent -0.65,-0.85 0.65,0.85, body extent -1.6,-0.8 1.6,0.8, height 1.85
WL-TMRC_D3.95H5.3 [mm] "THT Mono-color Round Color LED, 2-leads"
  round 1.5 hole 1: 1(-1271.27,-1270) 2(-1268.73,-1270)
  silkscreen extent -1272,-1272.1 -1268.31,-1267.9, body extent -1271.99,-1271.97 -1268.37,-1268.03, height 5.35
X321532768KID2SI [mm]
  rect 1x1.8 smd: 1(0,0) 2(2.5,0)
  silkscreen extent -0.84,-1.27 3.38,1.27, body extent -0.33,-0.75 2.87,0.75, height 0.66